# KiCad board AnalogFNN.kicad_pcb (continued)
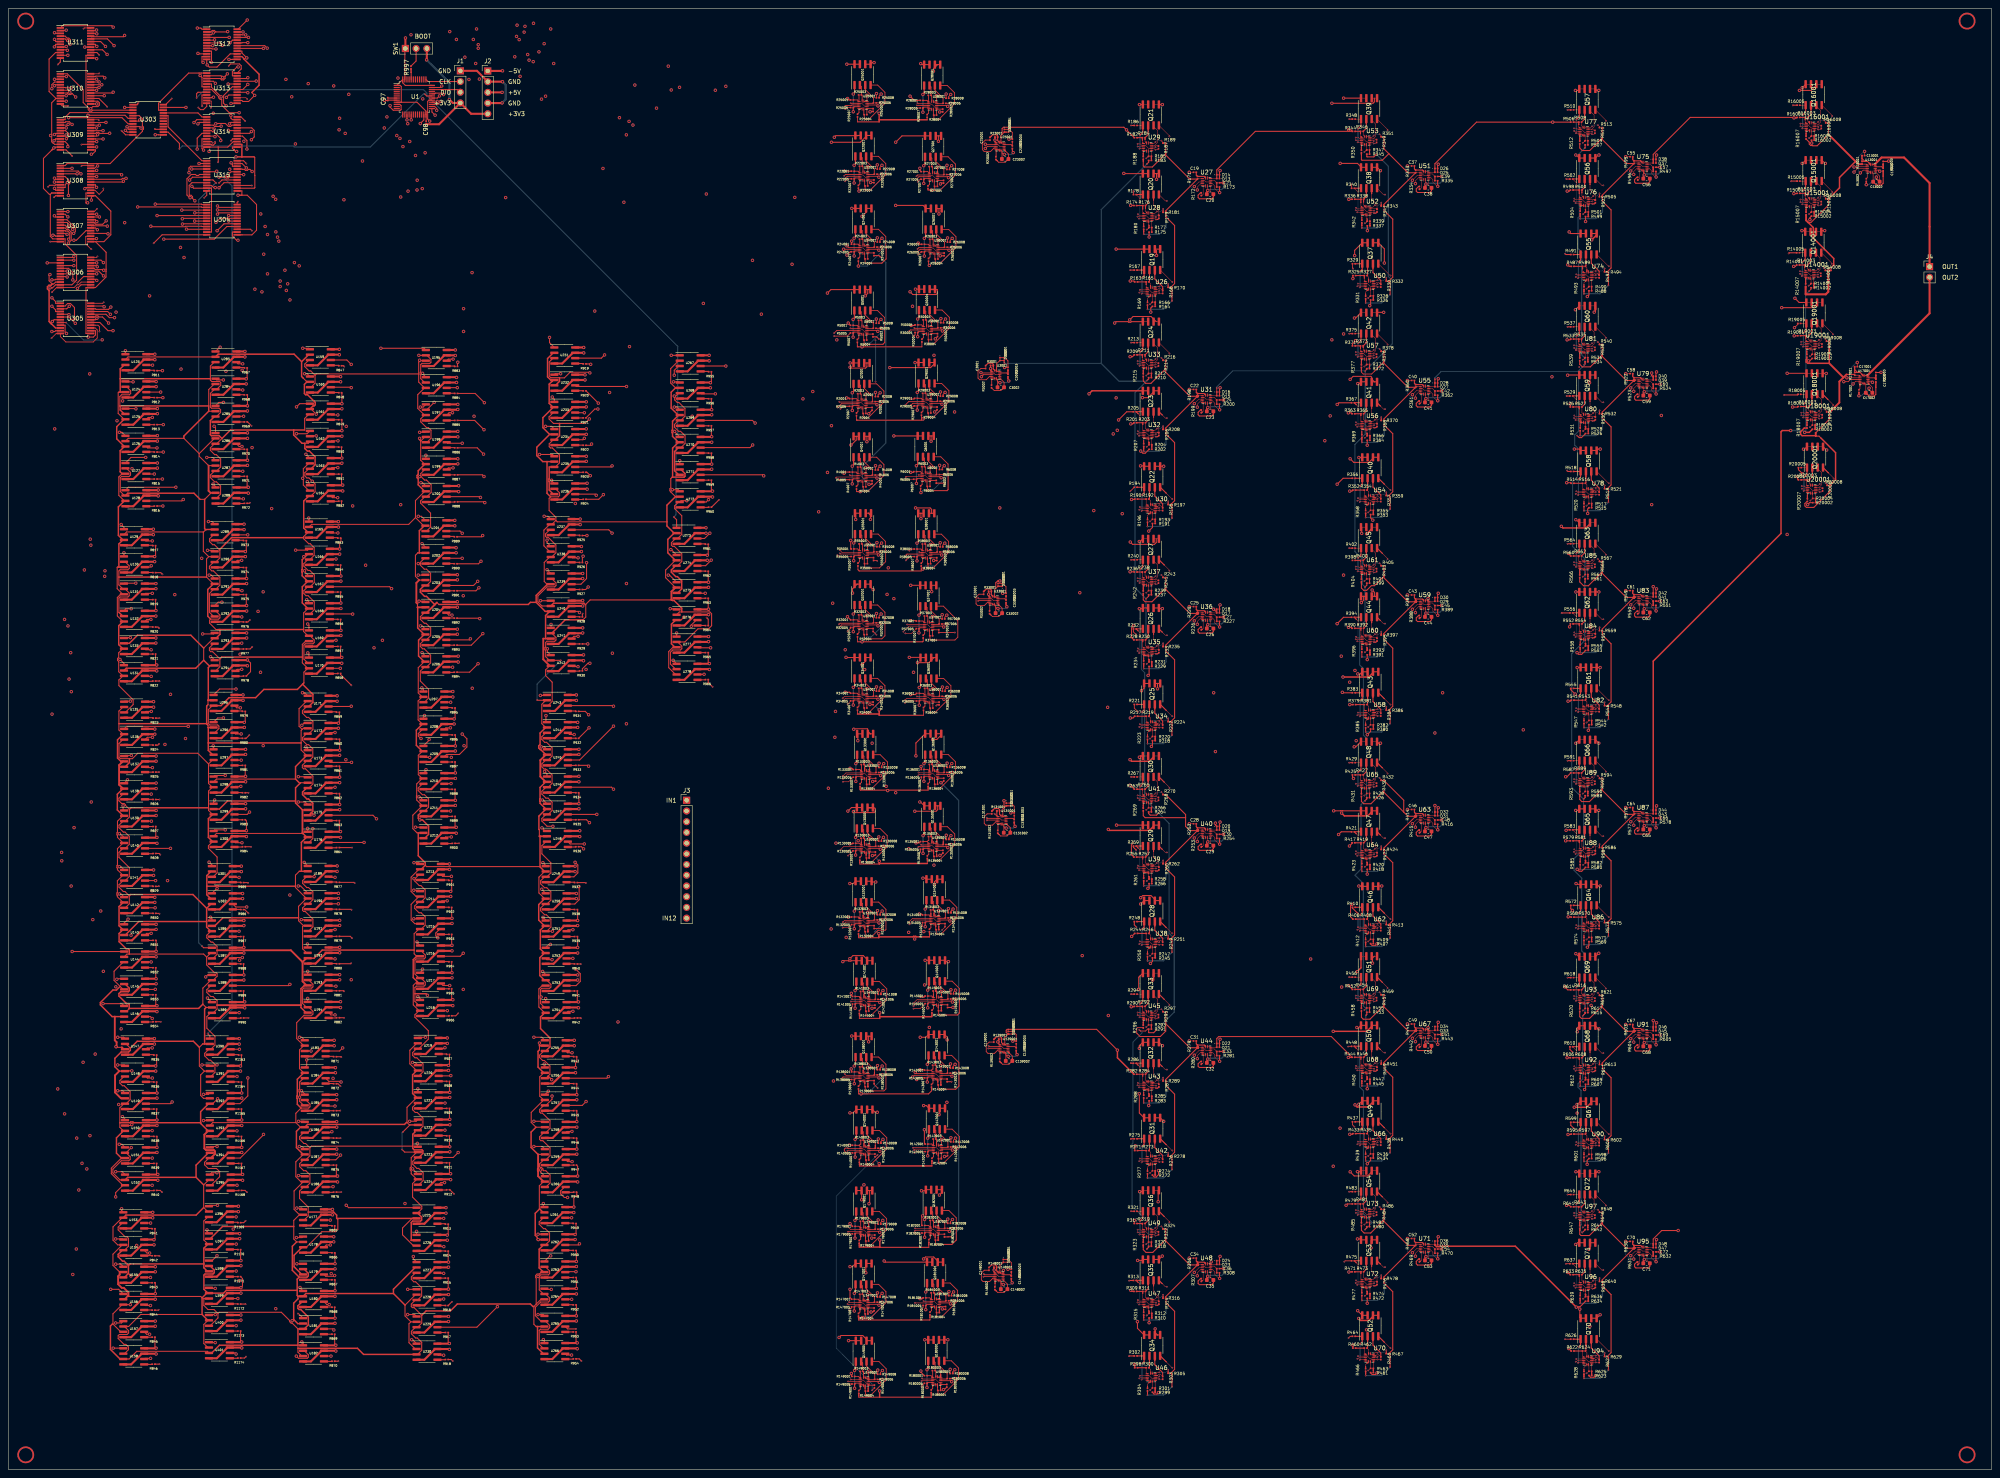
[diagram p0: board, top side]
## Routing (per net, layer and track width the routed paths; a pad name or vN(x,y) marks a point on that pad's centre or on a via; arc(x,y) is an arc through that point) (continued)
Net-(Q135001A-G1): length 5.6
  Top w0.2: Q135001.2 218.69,152.09 R135003.2 218.87,149.94 218.87,148.68
  Top w0.25: 218.87,149.31 218.87,148.68 ; 218.69,151.1 R135003.2
Net-(Q135001A-S1): length 9.8
  Top w0.2: R135005.2 216.99,147.32 218.12,147.32
  Top w0.25: v1(216.77,146.12) 216.77,147.1 ; 217.07,151.53 Q135001.1 217.07,151.54 ; 217.07,151.53 217.07,150.62 v1(216.77,150.32)
  Bottom w0.25: v1(216.77,150.32) v1(216.77,146.12)
Net-(Q135001B-G2): length 16
  Top w0.2: Q135001.4 222.55,152.45 224.27,150.72 224.27,148.13 220.56,144.43 219.37,144.43 219.37,145.41 ; U135001.7 219.27,145.5
  Top w0.25: 219.27,146.14 U135001.7
Net-(Q135001B-S2): length 6.5
  Top w0.2: R135006.2 221.55,149.44 219.61,151.38 219.61,151.91 ; U135001.11 221.45,148.12
  Top w0.25: 221.55,148.83 R135006.2
Net-(Q136001A-G1): length 5.6
  Top w0.2: 219.07,165.78 219.07,167.04 R136003.2 218.89,169.19 Q136001.2
  Top w0.25: 219.07,166.41 219.07,165.78 ; 218.89,168.2 R136003.2
Net-(Q136001A-S1): length 9.8
  Top w0.2: R136005.2 217.19,164.43 218.32,164.43
  Top w0.25: 217.27,168.63 217.27,167.72 v1(216.97,167.43) ; 217.27,168.63 Q136001.1 217.27,168.64 ; 218.32,164.43 U136001.4 ; v1(216.97,163.22) 216.97,164.21
  Bottom w0.25: v1(216.97,167.43) v1(216.97,163.22)
Net-(Q136001B-G2): length 16
  Top w0.2: 219.47,162.6 U136001.7 ; 219.57,162.5 219.57,161.53 220.76,161.53 224.47,165.24 224.47,167.82 222.75,169.55 Q136001.4
  Top w0.25: 219.47,163.24 U136001.7
Net-(Q136001B-S2): length 5.9
  Top w0.2: R136006.2 221.75,166.53 219.81,168.48 219.81,169.01 ; 221.65,165.22 U136001.11
Net-(Q138001A-G1): length 5.6
  Top w0.2: Q138001.2 202.39,97.47 R138003.2 202.57,95.32 U138001.14
  Top w0.25: 202.57,94.68 U138001.14 ; 202.39,96.48 R138003.2
Net-(Q138001A-S1): length 9.8
  Top w0.2: U138001.4 200.69,92.7 R138005.2
  Top w0.25: 200.76,96.91 200.76,96.91 Q138001.1 ; 200.76,96.91 200.76,96 v1(200.47,95.7) ; 200.76,96.91 200.76,97.82 ; v1(200.47,91.5) 200.47,92.48
  Bottom w0.25: v1(200.47,95.7) v1(200.47,91.5)
Net-(Q138001B-G2): length 17.9
  Top w0.2: Q138001.4 206.24,97.82 207.97,96.1 207.97,90.27 207.5,89.8 203.07,89.8 203.07,90.78 ; 202.97,90.88 U138001.7
  Top w0.25: 202.97,91.52 U138001.7
Net-(Q138001B-S2): length 6.5
  Top w0.2: U138001.11 205.15,93.5 ; 203.3,97.29 203.3,96.75 205.25,94.81 R138006.2
  Top w0.25: 205.25,94.2 R138006.2
Net-(Q140001A-G1): length 5.6
  Top w0.2: Q140001.2 202.59,80.07 R140003.2 202.77,77.92 U140001.14
  Top w0.25: 202.59,79.08 R140003.2 ; 202.77,77.28 U140001.14
Net-(Q140001A-S1): length 9.8
  Top w0.2: R140005.2 200.89,75.3 U140001.4
  Top w0.25: Q140001.1 200.96,79.51 200.96,79.51 ; 200.96,79.51 200.96,78.6 v1(200.67,78.3) ; 200.96,79.51 200.96,80.43 ; v1(200.67,74.1) 200.67,75.08
  Bottom w0.25: v1(200.67,78.3) v1(200.67,74.1)
Net-(Q140001B-G2): length 16
  Top w0.2: U140001.7 203.17,73.48 ; 203.27,73.38 203.27,72.4 204.46,72.4 208.17,76.11 208.17,78.7 206.44,80.43 Q140001.4
  Top w0.25: 203.17,74.12 U140001.7
Net-(Q140001B-S2): length 6.5
  Top w0.2: U140001.11 205.35,76.1 ; R140006.2 205.45,77.41 203.5,79.36 203.5,79.89
  Top w0.25: 205.45,76.8 R140006.2
Net-(Q141001A-G1): length 5.6
  Top w0.2: Q141001.2 202.59,115.37 R141003.2 202.77,113.22 U141001.14
  Top w0.25: 202.77,112.58 U141001.14 ; 202.59,114.38 R141003.2
Net-(Q141001A-S1): length 9.8
  Top w0.2: R141005.2 200.89,110.6 U141001.4
  Top w0.25: v1(200.67,113.6) 200.96,113.9 200.96,114.81 ; Q141001.1 200.96,114.81 200.96,114.81 ; 200.96,114.81 200.96,115.72 ; v1(200.67,109.4) 200.67,110.38
  Bottom w0.25: v1(200.67,113.6) v1(200.67,109.4)
Net-(Q141001B-G2): length 16
  Top w0.2: U141001.7 203.17,108.78 ; Q141001.4 206.44,115.72 208.17,114 208.17,111.41 204.46,107.7 203.27,107.7 203.27,108.68
  Top w0.25: 203.17,109.42 U141001.7
Net-(Q141001B-S2): length 5.9
  Top w0.2: 203.5,115.19 203.5,114.66 205.45,112.71 R141006.2 ; 205.35,111.4 U141001.11
Net-(Q142001A-G1): length 5.6
  Top w0.2: U142001.14 219.97,78.22 R142003.2 219.79,80.37 Q142001.2
  Top w0.25: 219.79,79.38 R142003.2 ; 219.97,77.58 U142001.14
Net-(Q142001A-S1): length 9.8
  Top w0.2: R142005.2 218.09,75.6 U142001.4
  Top w0.25: 218.16,79.81 218.16,78.89 v1(217.87,78.6) ; 218.16,79.81 218.16,80.73 ; 218.16,79.81 218.16,79.81 Q142001.1 ; v1(217.87,74.4) 217.87,75.38
  Bottom w0.25: v1(217.87,78.6) v1(217.87,74.4)
Net-(Q142001B-G2): length 16
  Top w0.2: Q142001.4 223.64,80.73 225.37,79 225.37,76.41 221.66,72.7 220.47,72.7 220.47,73.68 ; 220.37,73.78 U142001.7
  Top w0.25: 220.37,74.42 U142001.7
Net-(Q142001B-S2): length 5.9
  Top w0.2: R142006.2 222.65,77.71 220.7,79.65 220.7,80.19 ; 222.55,76.4 U142001.11
Net-(Q143001A-G1): length 5.6
  Top w0.2: U143001.14 219.87,95.72 R143003.2 219.69,97.87 Q143001.2
  Top w0.25: 219.87,95.08 U143001.14 ; 219.69,96.88 R143003.2
Net-(Q143001A-S1): length 9.8
  Top w0.2: R143005.2 217.99,93.1 U143001.4
  Top w0.25: v1(217.77,91.9) 217.77,92.88 ; 218.06,97.31 218.06,96.39 v1(217.77,96.1) ; 218.06,97.31 218.06,98.23 ; 218.06,97.31 218.06,97.31 218.06,98.23
  Bottom w0.25: v1(217.77,96.1) v1(217.77,91.9)
Net-(Q143001B-G2): length 17.7
  Top w0.2: 225.27,93.91 225.27,96.5 223.54,98.23 221.87,98.23 ; 221.56,90.2 220.37,90.2 220.37,91.18 ; 220.27,91.28 U143001.7
  Top w0.25: 225.27,93.91 225.27,90.97 224.5,90.2 221.56,90.2 ; 220.27,91.92 U143001.7
Net-(Q143001B-S2): length 5.9
  Top w0.2: 222.45,93.9 U143001.11 ; 220.6,97.69 220.6,97.15 222.55,95.21 R143006.2
Net-(Q145001A-G1): length 5.6
  Top w0.2: 219.43,115.82 219.79,115.47 R145003.2 219.97,113.32 U145001.14
  Top w0.25: 219.97,112.68 U145001.14 ; 219.79,114.48 R145003.2
Net-(Q145001A-S1): length 9.8
  Top w0.2: R145005.2 218.09,110.7 U145001.4
  Top w0.25: 218.16,115.82 218.16,114.91 ; 218.16,114.91 218.16,114.91 218.16,115.82 ; 218.16,114.91 218.16,114 v1(217.87,113.7) ; v1(217.87,109.5) 217.87,110.48
  Bottom w0.25: v1(217.87,113.7) v1(217.87,109.5)
Net-(Q145001B-G2): length 17.9
  Top w0.2: 220.47,108.78 220.47,107.8 221.66,107.8 ; 221.97,115.82 223.64,115.82 225.37,114.1 225.37,111.51 ; 220.37,108.88 U145001.7
  Top w0.25: 221.66,107.8 224.9,107.8 225.37,108.27 225.37,111.51 ; 220.37,109.52 U145001.7
Net-(Q145001B-S2): length 5.9
  Top w0.2: 222.55,111.5 U145001.11 ; R145006.2 222.65,112.81 220.7,114.75 220.7,115.29
Net-(Q147001A-G1): length 3.8
  Top w0.2: 202.41,41.57 202.57,41.42 U147001.14 ; 202.39,41.6 202.39,43.56 202.15,43.8
Net-(Q147001A-S1): length 9.8
  Top w0.2: 201.82,38.8 200.69,38.8 200.49,38.6
  Top w0.25: v1(200.47,37.6) 200.47,38.57 ; U147001.4 201.82,38.8 ; 200.76,43 200.76,42.09 v1(200.47,41.8) ; 200.76,43 200.76,43.92 ; 200.76,43 200.76,43.01 Q147001.1
  Bottom w0.25: v1(200.47,41.8) v1(200.47,37.6)
Net-(Q147001B-G2): length 16
  Top w0.2: Q147001.4 206.24,43.92 207.97,42.19 207.97,39.61 204.26,35.89 203.07,35.89 203.07,36.88 ; U147001.7 202.97,36.98
  Top w0.25: 202.97,37.61 U147001.7
Net-(Q147001B-S2): length 5.9
  Top w0.2: 205.15,39.6 203.72,39.6 ; 205.25,39.69 205.25,40.9 203.3,42.85 203.3,43.38
  Top w0.25: U147001.11 203.72,39.6
Net-(Q149001A-G1): length 3.8
  Top w0.2: 202.21,25.5 202.45,25.26 202.45,23.3 ; 202.48,23.27 202.63,23.12 U149001.14
Net-(Q149001A-S1): length 9.8
  Top w0.2: 200.55,20.3 200.75,20.5 201.88,20.5
  Top w0.25: v1(200.53,19.3) 200.53,20.27 ; U149001.4 201.88,20.49 ; 200.83,24.7 200.83,23.79 v1(200.53,23.5) ; 200.83,24.7 200.83,24.71 Q149001.1 200.83,24.7
  Bottom w0.25: v1(200.53,23.5) v1(200.53,19.3)
Net-(Q149001B-G2): length 16
  Top w0.2: 203.03,18.68 U149001.7 ; Q149001.4 206.31,25.62 208.03,23.89 208.03,21.31 204.32,17.6 203.13,17.6 203.13,18.57
  Top w0.25: 203.03,19.31 U149001.7
Net-(Q149001B-S2): length 5.9
  Top w0.2: 203.37,25.08 203.37,24.55 205.31,22.61 205.31,21.39 ; 203.78,21.3 205.21,21.3
  Top w0.25: U149001.11 203.78,21.3
Net-(Q179001A-G1): length 3.8
  Top w0.2: 202.31,61.1 202.55,60.87 202.55,58.89 ; U179001.14 202.73,58.71 202.58,58.87
Net-(Q179001A-S1): length 9.8
  Top w0.2: 201.98,56.1 200.85,56.1 200.65,55.9
  Top w0.25: 200.93,60.31 Q179001.1 200.93,60.31 200.93,60.31 ; 200.93,60.31 200.93,59.39 v1(200.63,59.1) ; 201.98,56.1 U179001.4 ; v1(200.63,54.89) 200.63,55.88
  Bottom w0.25: v1(200.63,59.1) v1(200.63,54.89)
Net-(Q179001B-G2): length 16
  Top w0.2: 203.13,54.27 U179001.7 ; Q179001.4 206.41,61.22 208.13,59.5 208.13,56.9 204.42,53.19 203.23,53.19 203.23,54.18
  Top w0.25: 203.13,54.91 U179001.7
Net-(Q179001B-S2): length 5.9
  Top w0.2: 205.41,57 205.41,58.2 203.47,60.15 203.47,60.69 ; 205.31,56.89 203.88,56.89
Net-(Q180001A-G1): length 3.8
  Top w0.2: R180003.2 219.62,25.44 219.38,25.68 ; U180001.14 219.8,23.29 219.64,23.44
Net-(Q180001A-S1): length 9.8
  Top w0.2: U180001.4 217.92,20.67 R180005.2
  Top w0.25: 217.99,25.8 217.99,24.88 ; 217.99,24.88 Q180001.1 ; 217.99,24.88 217.99,23.96 v1(217.7,23.67) ; v1(217.7,19.47) 217.7,20.45
  Bottom w0.25: v1(217.7,23.67) v1(217.7,19.47)
Net-(Q180001B-G2): length 16
  Top w0.2: 221.8,25.8 223.47,25.8 225.2,24.07 225.2,21.48 221.49,17.77 220.3,17.77 220.3,18.75 ; 220.2,18.85 U180001.7
  Top w0.25: U180001.7 220.2,19.49 220.2,19.49
Net-(Q180001B-S2): length 5.9
  Top w0.2: R180006.2 222.48,22.78 220.53,24.73 220.53,25.26 ; U180001.11 222.38,21.47
Net-(Q181001A-G1): length 3.8
  Top w0.2: 219.32,41.92 219.32,43.89 219.08,44.13 ; 219.5,40.47 219.5,41.74 219.35,41.89
  Top w0.25: U181001.14 219.5,40.47
Net-(Q181001A-S1): length 9.8
  Top w0.2: R181005.2 217.62,39.12 U181001.4
  Top w0.25: 217.7,43.33 Q181001.1 217.7,43.33 ; 217.7,43.33 217.7,42.42 v1(217.4,42.12) ; v1(217.4,37.92) 217.4,38.9
  Bottom w0.25: v1(217.4,42.12) v1(217.4,37.92)
Net-(Q181001B-G2): length 16
  Top w0.2: 219.9,38.57 219.9,37.3 ; 220,37.2 220,36.22 221.19,36.22 224.9,39.93 224.9,42.52 223.18,44.25 Q181001.4
  Top w0.25: U181001.7 219.9,37.94 219.9,37.94
Net-(Q181001B-S2): length 5.9
  Top w0.2: 222.18,40.02 222.18,41.23 220.24,43.18 220.24,43.71 ; 222.08,39.92 U181001.11
Net-(Q182001A-G1): length 3.8
  Top w0.2: U182001.14 219.23,58.92 219.08,59.07 ; 219.05,59.1 219.05,61.06 218.81,61.3
Net-(Q182001A-S1): length 9.8
  Top w0.2: 218.48,56.3 217.35,56.3 217.15,56.1
  Top w0.25: 217.43,60.5 Q182001.1 217.43,60.51 217.43,60.5 ; 217.43,60.5 217.43,59.59 v1(217.13,59.3) ; v1(217.13,55.1) 217.13,56.07 ; U182001.4 218.48,56.3
  Bottom w0.25: v1(217.13,59.3) v1(217.13,55.1)
Net-(Q182001B-G2): length 17.6
  Top w0.2: 219.63,54.48 U182001.7 ; 219.73,54.38 219.73,53.39 220.92,53.39 ; 224.63,57.11 224.63,59.69 222.91,61.42 Q182001.4
  Top w0.25: 220.92,53.39 223.59,53.39 224.63,54.43 224.63,57.11 ; 219.63,55.11 U182001.7
Net-(Q182001B-S2): length 5.9
  Top w0.2: 221.91,57.19 221.91,58.4 219.97,60.35 219.97,60.88 ; 220.38,57.1 221.81,57.1
  Top w0.25: U182001.11 220.38,57.1
Net-(SW1-B): length 4.7
  Top w0.25: SW1.2 96.61,334.04 R997.2
Net-(U1-BOOT0): length 3.4
  Top w0.25: 95.45,332.13 95.45,331.29 ; 95.45,331.29 U1.44 ; 95.45,331.29 95.4,331.34 R997.1
Net-(U1-VDD): length 26.2
  Top w0.25: U1.36 94.06,328.25 93.45,328.86 U1.48 U1.1 92.84,328.25 93.1,327.99 93.1,324.31 93.04,324.25 ; 93.04,324.25 U1.9 ; 93.04,324.25 93.02,324.23 92,324.23 ; 93.04,324.25 96.84,324.25 98.95,322.14 U1.24 99,321.29 C98.1
Net-(U26A--): length 4.4
  Top w0.1: U26.1 269.64,280.47 R165.1
  Top w0.25: 269.64,281.06 R165.1 R163.2 ; 269.77,280.33 U26.1
Net-(U26B--): length 3.7
  Top w0.1: U26.5 270.51,278.6 U26.6 269.96,277.75 R169.1
  Top w0.25: 270.31,278.1 U26.6 ; 269.96,277.27 R169.1
Net-(U26C--): length 3.4
  Top w0.1: R166.1 271.78,278.57
  Top w0.25: U26.8 271.81,278.5 271.78,278.47 ; 271.78,276.35 R166.1 271.78,276.35 ; 271.78,276.35 R164.2
Net-(U26D--): length 5.5
  Top w0.1: U26.12 272.16,280.55 v2(272.76,280.55) ; 271.51,280.2 271.21,280.2 U26.13 ; 274.86,280.37 v2(274.86,281.15)
  Top w0.25: 274.86,280.76 274.84,280.74 R170.1 ; 271.51,280.2 U26.12
  Bottom w0.1: v2(274.86,281.15) 274.26,280.55 v2(272.76,280.55)
Net-(U27B-+): length 8.7
  Top w0.1: v1(281.76,303.45) 281.76,304.14 282.57,304.95 U27.4 ; C19.2 v1(279.86,307.65)
  Bottom w0.1: v1(279.86,307.65) 279.86,304.53 280.94,303.45 v1(281.76,303.45)
Net-(U27B--): length 3.6
  Top w0.1: U27.6 283.59,304.55 U27.5 283.14,304.4 283.14,302.44 282.84,302.13
  Top w0.25: R172.1 282.84,302.13
Net-(U27C--): length 8.5
  Top w0.1: U27.8 284.89,303.12 C20.1
  Top w0.25: R172.2 282.5,302.77 281.96,302.22 281.96,301.65 282.26,301.35 285.16,301.35 285.57,301.76 C20.1
Net-(U27D-+): length 2.7
  Top w0.1: C21.2 285.77,305.75 U27.11
  Top w0.25: R173.1 C21.2
Net-(U28A--): length 4.5
  Top w0.1: R176.1 268.84,298.12 U28.1
  Top w0.25: 268.97,297.98 U28.1 ; 268.84,298.93 R176.1 R174.2
Net-(U28B--): length 3.5
  Top w0.1: U28.6 269.26,296.1 U28.5 ; R180.1 269.06,296.2
  Top w0.25: 269.56,296.1 269.06,296.1 ; 269.06,295.48 R180.1
Net-(U28C--): length 2.7
  Top w0.1: 270.98,294.62 270.98,296.22
  Top w0.25: R175.2 R177.1 ; U28.8 270.98,296.22
Net-(U28D--): length 5.1
  Top w0.1: v2(273.66,298.95) 273.66,298.17 ; U28.13 270.86,298 U28.12 271.66,297.85 v2(272.16,298.35)
  Top w0.25: 273.66,298.56 273.64,298.54 R181.1
  Bottom w0.1: v2(273.66,298.95) 273.06,298.35 v2(272.16,298.35)
Net-(U29A--): length 3.5
  Top w0.1: R184.1 268.74,314.72 U29.1
  Top w0.25: 268.74,315.28 R184.1 R182.2 ; 268.87,314.58 U29.1
Net-(U29B--): length 3.1
  Top w0.1: U29.6 269.61,312.85 U29.5
  Top w0.25: 269.68,312.77 U29.6 ; 268.96,312.08 R188.1 268.96,312.08 ; 268.96,312.08 268.96,312.8 268.98,312.82 269.01,312.82 U29.5
Net-(U29C--): length 2.9
  Top w0.1: R185.1 270.88,312.82
  Top w0.25: U29.8 270.88,312.82 ; 270.88,310.95 R185.1 270.88,310.95 ; 270.88,310.95 R183.2
Net-(U29D--): length 4.2
  Top w0.1: v2(273.26,315.15) 273.64,314.77 273.64,314.66 ; v2(271.86,314.85) 271.46,314.45 U29.12 270.76,314.6 U29.13
  Top w0.25: 273.64,314.66 R189.1
  Bottom w0.1: v2(273.26,315.15) 272.16,315.15 v2(271.86,314.85)
Net-(U30A--): length 3.5
  Top w0.1: 269.86,228.74 269.64,228.97 269.64,230.07
  Top w0.25: R190.2 R192.1 ; U30.1 269.86,228.74
Net-(U30B--): length 3.7
  Top w0.1: R196.1 269.96,226.25 U30.6 270.51,227.1 U30.5
  Top w0.25: 269.96,225.77 R196.1 ; 270.31,226.6 U30.6
Net-(U30C--): length 3.4
  Top w0.1: 271.78,227.07 R193.1
  Top w0.25: 271.78,226.97 271.81,227 U30.8 ; 271.78,224.85 R193.1 271.78,224.85 ; 271.78,224.85 R191.2
Net-(U30D--): length 5.6
  Top w0.1: 274.86,228.87 v2(274.86,229.65) ; U30.13 271.21,228.7 U30.12 272.16,229.05 v2(272.76,229.05)
  Top w0.25: 271.13,228.78 U30.13 ; 274.86,229.26 274.84,229.24 R197.1
  Bottom w0.1: v2(272.76,229.05) 274.26,229.05 v2(274.86,229.65)
Net-(U31B-+): length 8.7
  Top w0.1: v1(281.76,251.95) 281.76,252.64 282.57,253.45 U31.4 ; C22.2 v1(279.86,256.15)
  Bottom w0.1: v1(281.76,251.95) 280.94,251.95 279.86,253.03 v1(279.86,256.15)
Net-(U31B--): length 3.9
  Top w0.1: 282.84,250.63 283.14,250.94 283.14,252.9 U31.5 283.59,253.05 U31.6
  Top w0.25: 283.07,252.97 U31.5 ; 282.99,250.78 282.85,250.78 R199.1
Net-(U31C--): length 8.5
  Top w0.1: C23.1 284.89,251.62 U31.8
  Top w0.25: C23.1 285.57,250.26 285.16,249.85 282.26,249.85 281.96,250.15 281.96,250.72 282.5,251.27 R199.2
Net-(U31D-+): length 2.7
  Top w0.1: U31.11 285.77,254.25 C24.2
  Top w0.25: R200.1 C24.2
Net-(U32A--): length 3.9
  Top w0.1: U32.1 268.84,246.62 R203.1
  Top w0.25: 268.84,247.81 R203.1 R201.2
Net-(U32B--): length 3.6
  Top w0.1: R207.1 269.06,244.7 ; U32.6 269.26,244.6 U32.5
  Top w0.25: 269.18,244.68 U32.5 ; 269.56,244.6 269.06,244.6 ; 269.06,243.98 R207.1
Net-(U32C--): length 3.3
  Top w0.1: R204.1 270.98,244.72
  Top w0.25: U32.8 270.98,244.72 ; 270.98,241.98 270.98,242.5 ; 270.98,242.5 R204.1 270.98,242.5
Net-(U32D--): length 5.1
  Top w0.1: 273.66,246.67 v2(273.66,247.45) ; U32.13 270.86,246.5 U32.12 ; 271.33,246.35 271.66,246.35 v2(272.16,246.85)
  Top w0.25: R208.1 273.64,247.04 273.66,247.06 ; U32.12 271.33,246.35 271.33,246.35
  Bottom w0.1: v2(272.16,246.85) 273.06,246.85 v2(273.66,247.45)
Net-(U33A--): length 3.5
  Top w0.1: U33.1 268.74,263.22 R211.1
  Top w0.25: R209.2 R211.1 268.74,263.78 ; 268.87,263.08 U33.1
Net-(U33B--): length 3.1
  Top w0.1: U33.6 269.61,261.35 U33.5
  Top w0.25: U33.5 269.01,261.32 268.98,261.32 268.96,261.3 268.96,260.58 ; 268.96,260.58 R215.1 268.96,260.58 ; U33.6 269.68,261.27
Net-(U33C--): length 2.9
  Top w0.1: R212.1 270.88,261.32
  Top w0.25: U33.8 270.88,261.32 ; 270.88,259.45 R210.2 270.88,259.45 ; 270.88,259.45 R212.1
Net-(U33D--): length 4.2
  Top w0.1: v2(273.26,263.65) 273.64,263.27 273.64,263.16 ; U33.13 270.76,263.1 U33.12 271.46,262.95 v2(271.86,263.35)
  Top w0.25: 273.64,263.16 R216.1
  Bottom w0.1: v2(271.86,263.35) 272.16,263.65 v2(273.26,263.65)
Net-(U34A--): length 3.5
  Top w0.1: 269.86,177.24 269.64,177.47 269.64,178.57
  Top w0.25: U34.1 269.86,177.24 ; R217.2 R219.1
Net-(U34B--): length 3.7
  Top w0.1: U34.5 270.51,175.6 U34.6 269.96,174.75 R223.1
  Top w0.25: 270.31,175.1 U34.6 ; 269.96,174.27 R223.1
Net-(U34C--): length 3.6
  Top w0.1: 271.78,175.57 R220.1
  Top w0.25: 271.78,173.35 R220.1 271.78,173.35 ; 271.78,173.35 271.78,173.1 ; 271.78,173.1 R218.2 271.78,173.1 ; 271.78,175.47 271.81,175.5 U34.8
Net-(U34D--): length 5.6
  Top w0.1: 274.86,177.37 v2(274.86,178.15) ; U34.13 271.21,177.2 U34.12 272.16,177.55 v2(272.76,177.55)
  Top w0.25: U34.13 271.13,177.28 ; 274.86,177.76 274.84,177.74 R224.1
  Bottom w0.1: v2(274.86,178.15) 274.26,177.55 v2(272.76,177.55)
Net-(U35A--): length 3.9
  Top w0.1: R230.1 268.84,195.12 U35.1
  Top w0.25: R228.2 R230.1 268.84,196.31
Net-(U35B--): length 3.6
  Top w0.1: R234.1 269.06,193.2 ; U35.5 269.26,193.1 U35.6
  Top w0.25: 269.18,193.18 U35.5 ; 269.56,193.1 269.06,193.1 ; 269.06,192.48 R234.1
Net-(U35C--): length 3.6
  Top w0.1: R231.1 270.98,193.22
  Top w0.25: 270.98,191 R231.1 270.98,191 ; 270.98,191 270.98,190.72 ; 270.98,190.72 R229.2 270.98,190.72 ; U35.8 270.98,193.22
Net-(U35D--): length 5.1
  Top w0.1: v2(273.66,195.95) 273.66,195.17 ; U35.12 270.86,195 U35.13 ; v2(272.16,195.35) 271.66,194.85 271.33,194.85
  Top w0.25: 273.66,195.56 273.64,195.54 R235.1 ; U35.12 271.33,194.85 271.33,194.85
  Bottom w0.1: v2(273.66,195.95) 273.06,195.35 v2(272.16,195.35)
Net-(U36B-+): length 8.7
  Top w0.1: U36.4 282.57,201.95 281.76,201.14 v1(281.76,200.45) ; C25.2 v1(279.86,204.65)
  Bottom w0.1: v1(281.76,200.45) 280.94,200.45 279.86,201.53 v1(279.86,204.65)
Net-(U36B--): length 3.9
  Top w0.1: 282.84,199.13 283.14,199.44 283.14,201.4 U36.5 283.59,201.55 U36.6
  Top w0.25: 282.99,199.28 282.85,199.28 R226.1 ; 283.07,201.47 U36.5
Net-(U36C--): length 8.5
  Top w0.1: U36.8 284.89,200.12 C26.1
  Top w0.25: C26.1 285.57,198.76 285.16,198.35 282.26,198.35 281.96,198.65 281.96,199.22 282.5,199.77 R226.2
Net-(U36D-+): length 2.7
  Top w0.1: U36.11 285.77,202.75 C27.2
  Top w0.25: R227.1 C27.2
Net-(U37A--): length 3
  Top w0.1: R238.1 268.74,211.72 U37.1
  Top w0.25: R236.2 R238.1 268.74,212.66
Net-(U37B--): length 3
  Top w0.1: U37.6 269.61,209.85 269.31,209.85
  Top w0.25: 269.31,209.85 U37.5 ; 268.96,209.09 268.96,209.8 268.98,209.82 269.01,209.82 ; 268.96,209.09 R242.1 268.96,209.08
  Top w0.35: U37.5 269.01,209.82
Net-(U37C--): length 3.2
  Top w0.1: R239.1 270.88,209.82
  Top w0.25: 270.88,207.7 R237.2 270.88,207.7 ; 270.88,207.7 270.88,207.95 ; 270.88,207.95 R239.1 270.88,207.95 ; U37.8 270.88,209.82
Net-(U37D--): length 4.2
  Top w0.1: v2(271.86,211.85) 271.46,211.45 U37.12 270.76,211.6 U37.13 ; v2(273.26,212.15) 273.64,211.77 273.64,211.66
  Top w0.25: 273.64,211.66 R243.1
  Bottom w0.1: v2(271.86,211.85) 272.16,212.15 v2(273.26,212.15)
Net-(U38A--): length 3.5
  Top w0.1: 269.64,127.07 269.64,125.97 269.86,125.74
  Top w0.25: U38.1 269.86,125.74 ; R244.2 R246.1
Net-(U38B--): length 3.7
  Top w0.1: U38.5 270.51,124.1 U38.6 269.96,123.25 R250.1
  Top w0.25: 269.96,122.77 R250.1 ; 270.31,123.6 U38.6
Net-(U38C--): length 3.6
  Top w0.1: R247.1 271.78,124.07
  Top w0.25: 271.78,121.6 R245.2 271.78,121.6 ; 271.78,121.6 271.78,121.85 ; 271.78,121.85 R247.1 271.78,121.85 ; U38.8 271.81,124 271.78,123.97
Net-(U38D--): length 5.6
  Top w0.1: U38.13 271.21,125.7 U38.12 272.16,126.05 v2(272.76,126.05) ; v2(274.86,126.65) 274.86,125.87
  Top w0.25: U38.13 271.13,125.78 ; 274.86,126.26 274.84,126.24 R251.1
  Bottom w0.1: v2(274.86,126.65) 274.26,126.05 v2(272.76,126.05)
Net-(U39A--): length 3.9
  Top w0.1: U39.1 268.84,143.62 R257.1
  Top w0.25: 268.84,144.81 R257.1 R255.2
Net-(U39B--): length 3.6
  Top w0.1: 269.06,141.7 R261.1 ; U39.6 269.26,141.6 U39.5
  Top w0.25: 269.56,141.6 269.06,141.6 ; 269.06,140.98 R261.1 ; 269.18,141.68 U39.5
Net-(U39C--): length 3.3
  Top w0.1: R258.1 270.98,141.72
  Top w0.25: 270.98,139.5 R258.1 270.98,139.5 ; 270.98,139.5 270.98,138.98 ; U39.8 270.98,141.72
Net-(U39D--): length 5.1
  Top w0.1: 273.66,143.67 v2(273.66,144.45) ; U39.13 270.86,143.5 U39.12 ; v2(272.16,143.85) 271.66,143.35 271.33,143.35
  Top w0.25: 271.33,143.35 271.33,143.35 U39.12 ; 273.66,144.06 273.64,144.04 R262.1
  Bottom w0.1: v2(272.16,143.85) 273.06,143.85 v2(273.66,144.45)
Net-(U40B-+): length 8.7
  Top w0.1: v1(281.76,148.95) 281.76,149.64 282.57,150.45 U40.4 ; C28.2 v1(279.86,153.15)
  Bottom w0.1: v1(281.76,148.95) 280.94,148.95 279.86,150.03 v1(279.86,153.15)
Net-(U40B--): length 3.9
  Top w0.1: 282.84,147.63 283.14,147.94 283.14,149.9 U40.5 283.59,150.05 U40.6
  Top w0.25: 283.07,149.97 U40.5 ; 282.99,147.78 282.85,147.78 R253.1
Net-(U40C--): length 8.5
  Top w0.1: C29.1 284.89,148.62 U40.8
  Top w0.25: C29.1 285.57,147.26 285.16,146.85 282.26,146.85 281.96,147.15 281.96,147.72 282.5,148.27 R253.2
Net-(U40D-+): length 2.7
  Top w0.1: U40.11 285.77,151.25 C30.2
  Top w0.25: R254.1 C30.2
Net-(U41A--): length 3
  Top w0.1: U41.1 268.74,160.22 R265.1
  Top w0.25: R263.2 R265.1 268.74,161.16
Net-(U41B--): length 3
  Top w0.1: U41.5 269.61,158.35 U41.6
  Top w0.25: 268.96,157.58 R269.1 268.96,157.59 ; 268.96,157.59 268.96,158.3 268.98,158.32 269.01,158.32
  Top w0.35: U41.5 269.01,158.32
Net-(U41C--): length 3.2
  Top w0.1: R266.1 270.88,158.32
  Top w0.25: 270.88,156.45 R266.1 270.88,156.45 ; 270.88,156.45 270.88,156.2 ; 270.88,156.2 R264.2 270.88,156.2 ; U41.8 270.88,158.32
Net-(U41D--): length 4.2
  Top w0.1: 273.64,160.16 273.64,160.27 v2(273.26,160.65) ; v2(271.86,160.35) 271.46,159.95 U41.12 270.76,160.1 U41.13
  Top w0.25: 273.64,160.16 R270.1
  Bottom w0.1: v2(273.26,160.65) 272.16,160.65 v2(271.86,160.35)
Net-(U42A--): length 3.5
  Top w0.1: 269.86,74.24 269.64,74.47 269.64,75.57
  Top w0.25: U42.1 269.86,74.24 ; R271.2 R273.1
Net-(U42B--): length 3.7
  Top w0.1: U42.5 270.51,72.6 U42.6 269.96,71.75 R277.1
  Top w0.25: 270.31,72.1 U42.6 ; 269.96,71.27 R277.1
Net-(U42C--): length 3.6
  Top w0.1: 271.78,72.57 R274.1
  Top w0.25: 271.78,70.1 R272.2 271.78,70.1 ; 271.78,70.1 271.78,70.35 ; 271.78,72.47 271.81,72.5 U42.8 ; 271.78,70.35 R274.1 271.78,70.35
Net-(U42D--): length 5.6
  Top w0.1: U42.13 271.21,74.2 U42.12 272.16,74.55 v2(272.76,74.55) ; 274.86,74.37 v2(274.86,75.15)
  Top w0.25: R278.1 274.84,74.74 274.86,74.76 ; 271.13,74.27 U42.13
  Bottom w0.1: v2(274.86,75.15) 274.26,74.55 v2(272.76,74.55)
Net-(U43A--): length 3.9
  Top w0.1: U43.1 268.84,92.12 R284.1
  Top w0.25: R282.2 R284.1 268.84,93.31
Net-(U43B--): length 3.6
  Top w0.1: 269.06,90.2 R288.1 ; U43.5 269.26,90.1 U43.6
  Top w0.25: 269.06,89.48 R288.1 ; 269.56,90.1 269.06,90.1 ; 269.18,90.18 U43.5
Net-(U43C--): length 3.3
  Top w0.1: R285.1 270.98,90.22
  Top w0.25: U43.8 270.98,90.22 ; 270.98,88 R285.1 270.98,88 ; 270.98,88 270.98,87.48
Net-(U43D--): length 5.1
  Top w0.1: v2(273.66,92.95) 273.66,92.17 ; U43.13 270.86,92 U43.12 ; 271.33,91.85 271.66,91.85 v2(272.16,92.35)
  Top w0.25: 271.33,91.85 271.33,91.85 U43.12 ; R289.1 273.64,92.54 273.66,92.56
  Bottom w0.1: v2(272.16,92.35) 273.06,92.35 v2(273.66,92.95)
Net-(U44B-+): length 8.7
  Top w0.1: C31.2 v1(279.86,101.65) ; U44.4 282.57,98.95 281.76,98.14 v1(281.76,97.45)
  Bottom w0.1: v1(281.76,97.45) 280.94,97.45 279.86,98.53 v1(279.86,101.65)
Net-(U44B--): length 3.9
  Top w0.1: 282.84,96.13 283.14,96.44 283.14,98.4 U44.5 283.59,98.55 U44.6
  Top w0.25: 282.99,96.28 282.85,96.28 R280.1 ; 283.07,98.48 U44.5
Net-(U44C--): length 8.5
  Top w0.1: C32.1 284.89,97.12 U44.8
  Top w0.25: R280.2 282.5,96.77 281.96,96.22 281.96,95.65 282.26,95.35 285.16,95.35 285.57,95.76 C32.1
Net-(U44D-+): length 2.7
  Top w0.1: C33.2 285.77,99.75 U44.11
  Top w0.25: R281.1 C33.2
Net-(U45A--): length 3
  Top w0.1: U45.1 268.74,108.72 R292.1
  Top w0.25: 268.74,109.66 R292.1 R290.2
Net-(U45B--): length 3
  Top w0.1: 269.31,106.85 269.61,106.85 U45.6
  Top w0.25: 268.96,106.09 R296.1 268.96,106.08 ; 268.96,106.09 268.96,106.8 268.98,106.82 269.01,106.82 ; 269.31,106.85 U45.5
  Top w0.35: U45.5 269.01,106.82
Net-(U45C--): length 2.9
  Top w0.1: R293.1 270.88,106.82
  Top w0.25: 270.88,104.95 R293.1 270.88,104.95 ; 270.88,104.95 R291.2 ; U45.8 270.88,106.82
Net-(U45D--): length 4.2
  Top w0.1: v2(273.26,109.15) 273.64,108.77 273.64,108.66 ; U45.13 270.76,108.6 U45.12 271.46,108.45 v2(271.86,108.85)
  Top w0.25: 273.64,108.66 R297.1
  Bottom w0.1: v2(273.26,109.15) 272.16,109.15 v2(271.86,108.85)
